# Altium PCB 1166V30.PcbDoc (part 4 of 6) (continued)
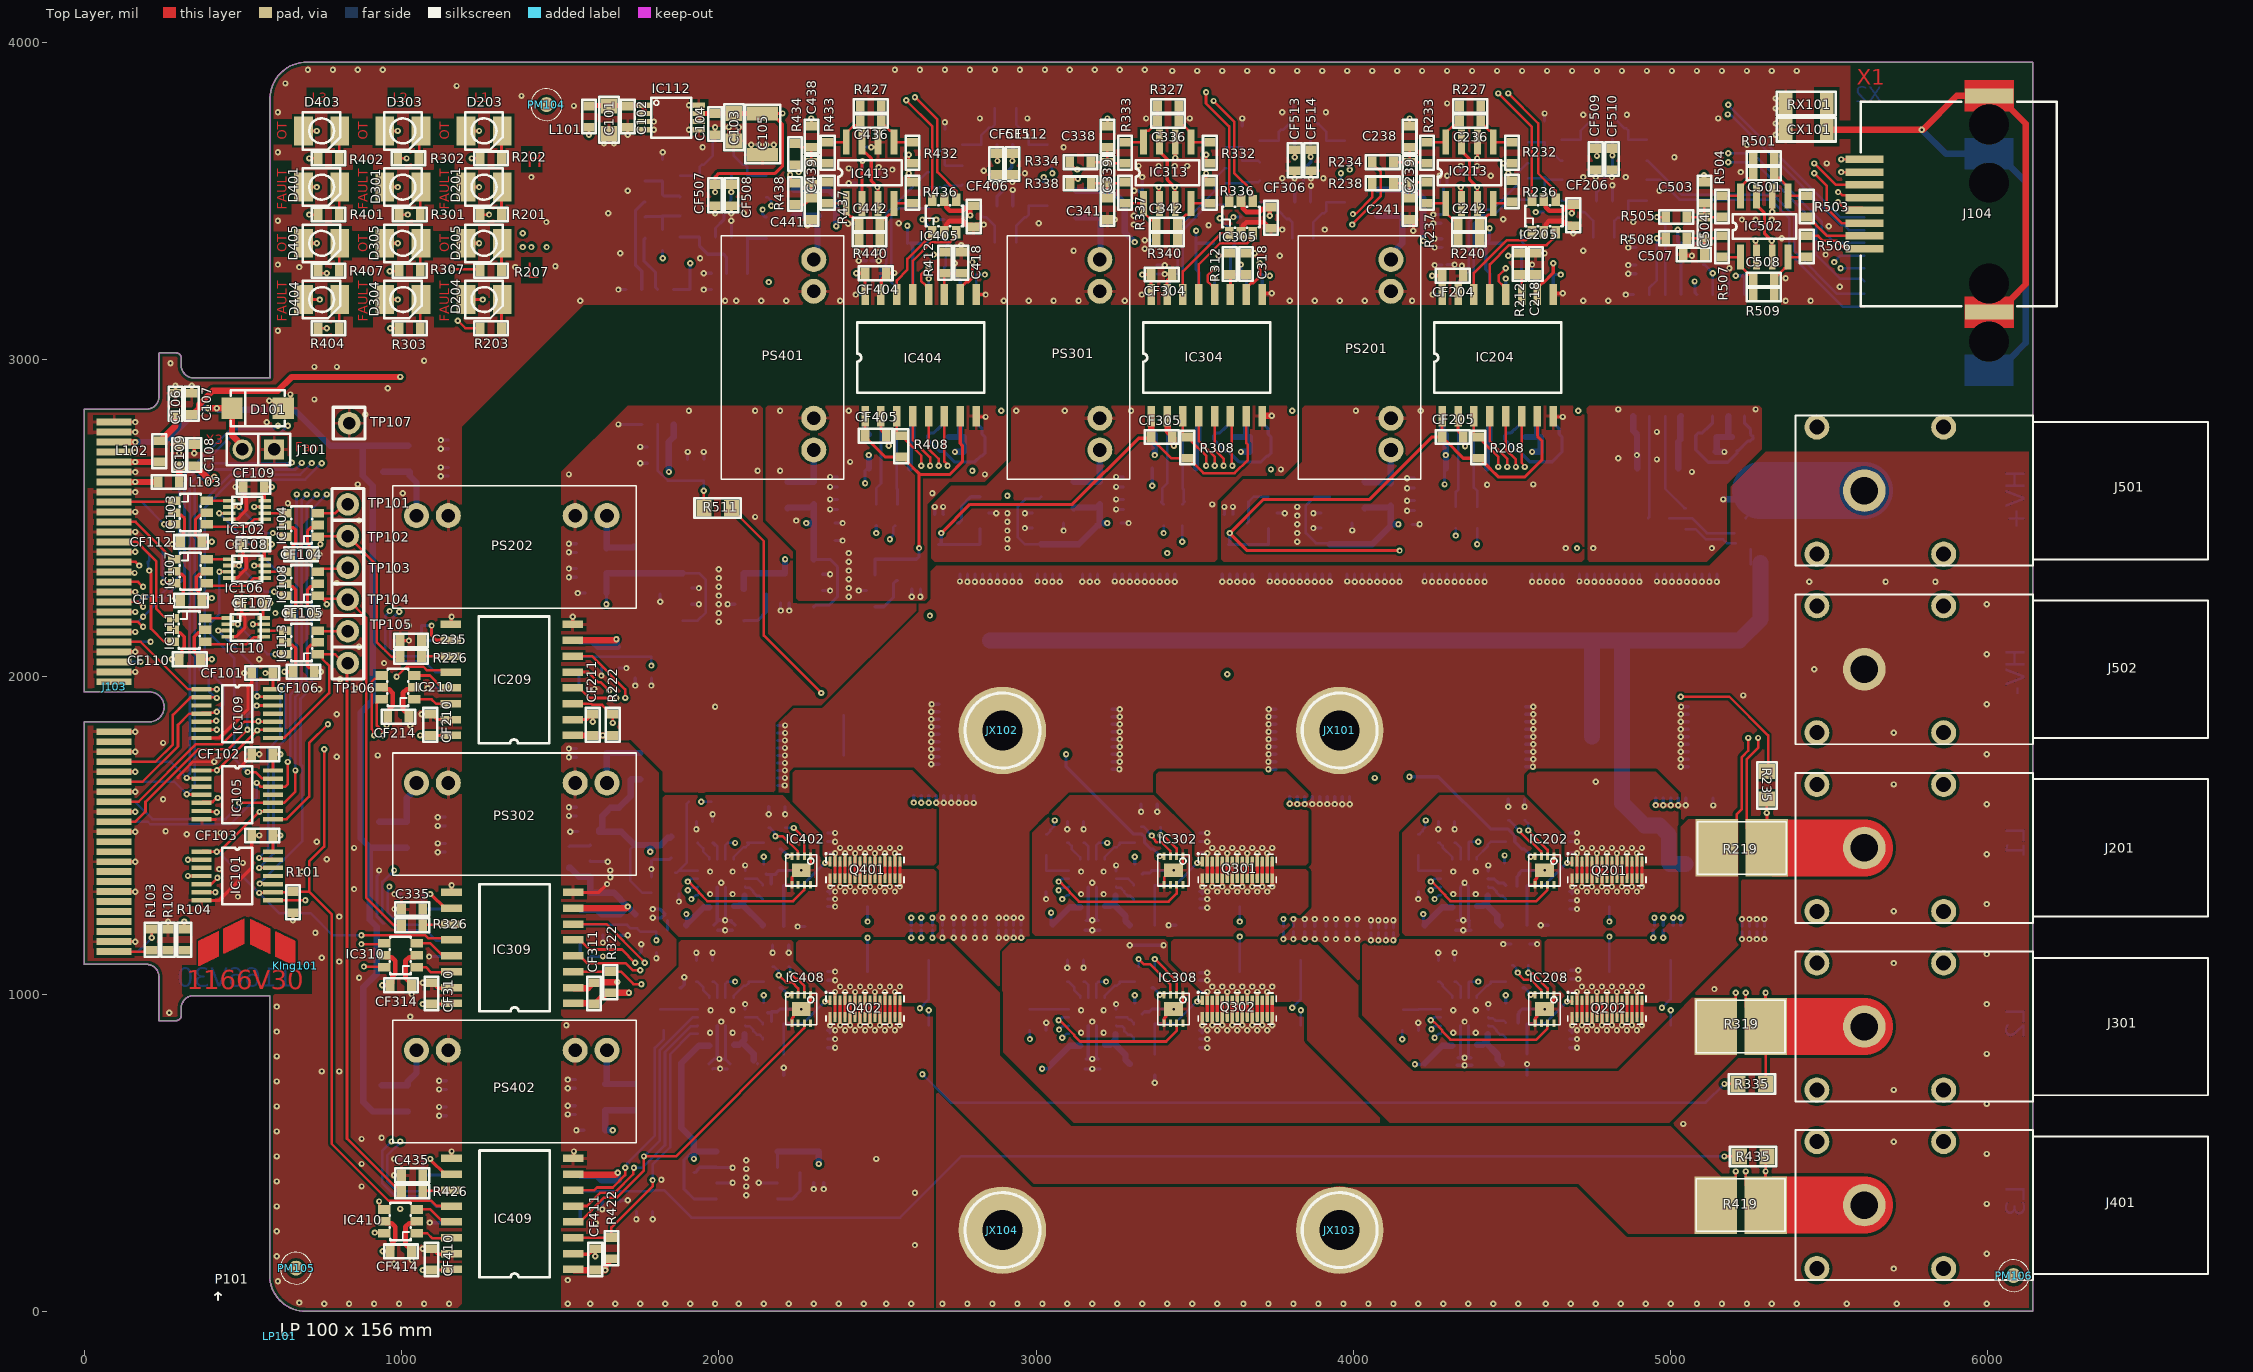
[diagram p0: Top Layer view]
## Nets (pads, with @x,y where several pads share a name; then routed paths per layer and width w, separated by ;. In a path a pad name is that pad's centre, name@x,y a point inside that pad or via, vN(x,y) a via of type N, cw(c..) or ccw(c..) an arc to the next point about the centre after c; other vN are vias at no path point) (continued)
NetC210_2: C210.2 IC201.4 | length 138.2
  Bottom Layer w8: C210.2@3665.35,2484.25 3669.29,2488.19 3669.29,2551.18 3685.43,2567.32 IC201.4@3732.28,2567.32
NetC212_2: C212.2 IC203.13 IC203.16 | length 315.8
  Layer 2 w10: v1(4479.92,3255.05) 4640.87,3255.05 v1(4653.54,3267.72)
  Bottom Layer w10: IC203.13@4479.92,3204.72 v1(4479.92,3255.05) ; IC203.16@4629.92,3204.72 C212.2@4629.92,3267.72 v1(4653.54,3267.72)
NetC216_1: C216.1 IC206.12 IC206.13 | length 145.5
  Bottom Layer w20: IC206.13@4390.59,1277.4 4407.32,1277.4 4415.35,1285.43 ; IC206.12@4423.39,1310.2 4423.39,1293.46 4415.35,1285.43 ; C216.1@4464.57,1216.54 4452.85,1228.25 4452.85,1248.03 4452.76,1248.03 4415.35,1285.43
NetC217_2: C217.2 IC206.4 R211.1 | length 118.5
  Bottom Layer w8: R211.1@4204.72,1437.01 C217.2@4204.72,1389.76 4205.71,1388.78 IC206.4@4275.59,1388.78
NetC218_2: C218.2 IC204.11 R212.1 | length 116.8
  Top Layer w8: IC204.11@4529.92,3204.72 4529.92,3261.42 R212.1@4523.62,3267.72 C218.2@4574.8,3267.72
NetC219_1: C219.1 C220.1 C221.1 IC203.1 IC203.3 | length 449.2
  Bottom Layer w10: IC203.3@4529.92,2820.87 4529.92,2800.2 4509.25,2779.53 4507.87,2779.53 4496.97,2768.62 4485.16,2768.62 4476.38,2759.84 4476.38,2748.03 4513.84,2710.57 4523.03,2710.57 4555.65,2677.94 4626.76,2677.94 4657.48,2708.66 4657.48,2755.91 4648.7,2764.69 4648.7,2781.42 4629.92,2800.2 IC203.1@4629.92,2820.87
NetC222_1: C222.1 C223.1 IC203.5 | length 167
  Bottom Layer w20: C222.1@4421.26,2657.48 4421.26,2740.16 4428.11,2747.01 4428.11,2819.06 IC203.5@4429.92,2820.87
NetC224_1: C224.1 IC203.7 R218.2 | length 289
  Bottom Layer w8: R218.2@4322.83,2535.43 C224.1@4322.83,2582.68 4330.71,2590.55 4330.71,2708.66 4329.92,2709.45 IC203.7@4329.92,2820.87
NetC224_2: C224.2 IC203.6 R217.2 | length 289.5
  Bottom Layer w8: IC203.6@4379.92,2820.87 4379.92,2596.46 4389.76,2586.61 C224.2@4389.76,2582.68 R217.2@4389.76,2535.43
NetC225_2: C225.2 IC206.8 R213.1 | length 120.7
  Bottom Layer w8: IC206.8@4388.78,1425.2 4388.78,1431.1 4423.29,1465.61 4423.29,1470.54 C225.2@4433.07,1480.31 R213.1@4480.32,1480.31
NetC227_2: C227.2 L203.2 PS202.1 | length 229.6
  Bottom Layer w20: L203.2@942.52,2645.67 C227.2@1025.2,2645.67 1025.2,2633.86 1047.24,2611.81 PS202.1@1047.24,2507.87
NetC230_2: C230.2 IC207.4 | length 137.6
  Bottom Layer w10: IC207.4@2078.74,2176.77 2079.13,2177.17 2122.05,2177.17 2149.61,2204.72 C230.2@2149.61,2259.84
NetC233_1: C233.1 IC211.12 IC211.13 | length 147.1
  Bottom Layer w20: IC211.13@4390.59,840.39 4407.32,840.39 4415.35,848.43 ; IC211.12@4423.39,873.19 4423.39,856.46 4415.35,848.43 ; 4452.76,811.02 4415.35,848.43 ; 4452.85,811.02 4454.88,808.99 4454.88,793.15 C233.1@4468.5,779.53
NetC234_2: C234.2 IC211.4 R225.1 | length 118.5
  Bottom Layer w8: R225.1@4157.48,950.79 C234.2@4204.72,950.79 ; C234.2@4204.72,952.76 4205.71,951.77 IC211.4@4275.59,951.77
NetC235_2: C235.2 IC209.11 R226.1 | length 144.5
  Top Layer w8: C235.2@1062.99,2114.17 R226.1@1062.99,2062.99 1064.96,2064.96 IC209.11@1155.51,2064.96
NetC236_1: C236.1 IC213.8 R227.1 R233.2 | length 196.4
  Top Layer w8: R233.2@4232.28,3685.04 IC213.8@4290.94,3685.04 4290.94,3713.58 4315.61,3738.25 4324.87,3738.25 4334.65,3748.03 R227.1@4334.65,3799.21
NetC236_2: C236.2 IC213.5 R227.2 R232.1 | length 192.4
  Top Layer w8: R227.2@4401.57,3799.21 C236.2@4401.57,3751.97 4401.57,3748.03 4429.2,3720.41 4434.12,3720.41 4440.94,3713.58 IC213.5@4440.94,3685.04 R232.1@4500,3685.04
NetC237_2: C237.2 IC211.8 R228.1 | length 118.5
  Bottom Layer w8: IC211.8@4388.78,988.19 4388.78,994.09 4420.34,1025.65 4423.29,1025.65 4433.07,1035.43 C237.2@4433.07,1039.37 R228.1@4480.32,1039.37
NetC238_1: C238.1 C239.2 R233.1 R234.2 | length 155.2
  Top Layer w8: R234.2@4125.98,3622.05 C239.2@4177.17,3622.05 ; C238.1@4177.17,3669.29 C239.2@4177.17,3622.05 ; R233.1@4232.28,3618.11 4228.35,3622.05 C239.2@4177.17,3622.05
NetC239_1: C239.1 C241.2 R237.1 R238.2 | length 155.2
  Top Layer w8: R238.2@4125.98,3555.12 C239.1@4177.17,3555.12 ; C241.2@4177.17,3507.87 C239.1@4177.17,3555.12 ; R237.1@4232.28,3559.06 4181.1,3559.06 C239.1@4177.17,3555.12
NetC240_2: C240.2 IC212.2 R235.1 R239.1 | length 3983
  Top Layer w8: v1(5031.5,1937.01) 5185.04,1937.01 5307.09,1814.96 5307.09,1704.72 R235.1@5303.15,1700.79
  Layer 5 w8: v1(1787.4,2035.43) 4933.07,2035.43 v1(5031.5,1937.01)
  Bottom Layer w8: IC212.2@1559.06,2064.17 1559.65,2063.58 R239.1@1787.4,2063.58 ; v1(1787.4,2035.43) R239.1@1787.4,2062.99
NetC242_1: C242.1 IC213.1 R237.2 R240.1 | length 192.4
  Top Layer w8: R237.2@4232.28,3492.13 IC213.1@4290.94,3492.13 4290.94,3463.58 4315.61,3438.91 4320.93,3438.91 4330.71,3429.13 C242.1@4330.71,3425.2 R240.1@4330.71,3377.95
NetC242_2: C242.2 IC213.4 R236.1 R240.2 | length 196.4
  Top Layer w8: R240.2@4397.64,3377.95 C242.2@4397.64,3425.2 4397.64,3429.13 4425.26,3456.76 4434.12,3456.76 4440.94,3463.58 IC213.4@4440.94,3492.13 R236.1@4500,3492.13
NetC307_2: C307.2 L301.2 PS301.1 | length 210.3
  Bottom Layer w20: L301.2@3125.98,3448.82 C307.2@3204.72,3448.82 3202.76,3446.85 3202.76,3320.87 PS301.1@3200.79,3318.9
NetC310_2: C310.2 IC301.4 | length 131.5
  Bottom Layer w10: C310.2@2751.97,2484.25 2755.91,2484.25 2764.69,2493.03 2764.69,2537.72 2794.29,2567.32 IC301.4@2822.83,2567.32
NetC312_2: C312.2 IC303.13 IC303.16 | length 316.4
  Top Layer w10: v1(3562.6,3255.05) v1@3562.99,3254.65
  Layer 2 w10: v1(3562.6,3255.05) 3727.49,3255.05 v1(3736.22,3263.78)
  Bottom Layer w10: IC303.13@3562.6,3204.72 v1(3562.6,3255.05) ; IC303.16@3712.6,3204.72 C312.2@3712.6,3267.72 3716.54,3263.78 v1(3736.22,3263.78)
NetC316_1: C316.1 IC306.12 IC306.13 | length 147.1
  Bottom Layer w20: IC306.13@3217.36,1277.4 3234.09,1277.4 3242.13,1285.43 ; IC306.12@3250.16,1310.2 3250.16,1293.46 3242.13,1285.43 ; C316.1@3295.28,1216.54 3281.65,1230.16 3281.65,1245.91 3242.13,1285.43
NetC317_2: C317.2 IC306.4 R311.1 | length 118.5
  Bottom Layer w8: R311.1@3031.5,1437.01 C317.2@3031.5,1389.76 3032.48,1388.78 IC306.4@3102.36,1388.78
NetC318_2: C318.2 IC304.11 R312.1 | length 115.2
  Top Layer w8: IC304.11@3612.6,3204.72 3612.6,3265.35 R312.1@3610.24,3267.72 C318.2@3661.42,3267.72
NetC319_1: C319.1 C320.1 C321.1 IC303.1 IC303.3 | length 452.2
  Bottom Layer w10: IC303.3@3612.6,2820.87 3612.6,2800.2 3591.93,2779.53 3590.55,2779.53 3579.65,2768.62 3567.83,2768.62 3559.06,2759.84 3559.06,2748.03 3596.91,2710.18 3606.1,2710.18 3639.11,2677.17 3708.66,2677.17 3727.44,2695.94 3731.38,2695.94 3740.16,2704.72 3740.16,2755.91 3731.38,2764.69 3731.38,2781.42 3712.6,2800.2 IC303.1@3712.6,2820.87
NetC322_1: C322.1 C323.1 IC303.5 | length 167
  Bottom Layer w20: C323.1@3503.94,2657.48 3503.94,2740.16 3510.79,2747.01 3510.79,2819.06 IC303.5@3512.6,2820.87
NetC324_1: C324.1 IC303.7 R318.2 | length 287
  Bottom Layer w8: R318.2@3393.7,2551.18 R318.2@3401.57,2543.31 ; R318.2@3397.64,2551.18 C324.1@3397.64,2590.55 3397.64,2594.49 3412.6,2609.45 IC303.7@3412.6,2820.87
NetC324_2: C324.2 IC303.6 R317.2 | length 281.8
  Bottom Layer w8: R317.2@3460.63,2543.31 R317.2@3468.5,2551.18 ; IC303.6@3462.6,2820.87 3462.6,2778.78 3462.41,2778.59 3462.41,2592.71 C324.2@3464.57,2590.55 R317.2@3464.57,2551.18
NetC325_2: C325.2 IC306.8 R313.1 | length 122.4
  Bottom Layer w8: IC306.8@3215.55,1425.2 3215.55,1431.1 3247.11,1462.66 3254,1462.66 3263.78,1472.44 C325.2@3263.78,1476.38 R313.1@3311.02,1476.38
NetC327_2: C327.2 L303.2 PS302.1 | length 221.7
  Bottom Layer w20: L303.2@929.13,1543.31 C327.2@1015.75,1543.31 1015.75,1617.96 1047.24,1649.46 PS302.1@1047.24,1665.35
NetC330_2: C330.2 IC307.4 | length 68.7
  Bottom Layer w10: C330.2@1527.56,1464.57 1529.72,1466.73 1592.32,1466.73 IC307.4@1594.49,1468.9
NetC333_1: C333.1 IC311.12 IC311.13 | length 147.1
  Bottom Layer w20: IC311.13@3217.36,840.39 3234.09,840.39 3242.13,848.43 ; IC311.12@3250.16,873.19 3250.16,856.46 3242.13,848.43 ; 3279.53,811.02 3242.13,848.43 ; 3279.62,811.02 3281.65,808.99 3281.65,793.15 C333.1@3295.28,779.53
NetC334_2: C334.2 IC311.4 R325.1 | length 122.5
  Bottom Layer w8: R325.1@2980.32,952.76 C334.2@3031.5,952.76 3032.48,951.77 IC311.4@3102.36,951.77
NetC335_2: C335.2 IC309.11 R326.1 | length 144.5
  Top Layer w8: C335.2@1066.93,1267.72 R326.1@1066.93,1216.54 1068.9,1218.5 IC309.11@1159.45,1218.5
NetC336_1: C336.1 IC313.8 R327.1 R333.2 | length 196.4
  Top Layer w8: R333.2@3279.92,3685.04 IC313.8@3338.58,3685.04 3338.58,3713.58 3345.41,3720.41 3354.66,3720.41 3382.28,3748.03 C336.1@3382.28,3751.97 R327.1@3382.28,3799.21
NetC336_2: C336.2 IC313.5 R327.2 R332.1 | length 192.4
  Top Layer w8: R327.2@3449.21,3799.21 C336.2@3449.21,3751.97 3449.21,3748.03 3458.99,3738.25 3463.91,3738.25 3488.58,3713.58 IC313.5@3488.58,3685.04 R332.1@3547.64,3685.04
NetC337_2: C337.2 IC311.8 R328.1 | length 122.4
  Bottom Layer w8: IC311.8@3215.55,988.19 3215.55,994.09 3247.11,1025.65 3254,1025.65 3263.78,1035.43 C337.2@3263.78,1039.37 R328.1@3311.02,1039.37
NetC338_1: C338.1 C339.2 R333.1 R334.2 | length 155.2
  Top Layer w8: R334.2@3173.23,3622.05 C339.2@3224.41,3622.05 ; C338.1@3224.8,3669.29 C339.2@3224.8,3622.05 3228.74,3618.11 R333.1@3279.92,3618.11
NetC339_1: C339.1 C341.2 R337.1 R338.2 | length 155.2
  Top Layer w8: R338.2@3173.62,3555.12 C339.1@3224.8,3555.12 ; C341.2@3224.8,3507.87 C339.1@3224.8,3555.12 ; R337.1@3279.92,3559.06 3275.98,3555.12 C339.1@3224.8,3555.12
NetC340_2: C340.2 IC312.2 R335.1 R339.1 | length 4071.3
  Top Layer w8: v1(5169.29,716.54) R335.1@5212.6,716.54
  Layer 3 w8: v1(1803.15,1169.29) 1824.99,1147.45 1824.99,1088 1934.61,978.38 1934.61,791.74 1985.05,741.3 2620.14,741.3 2625.98,747.14 v1(2641.73,747.14)
  Bottom Layer w8: IC312.2@1562.99,1217.72 1711.09,1217.72 1722.18,1206.63 1742.19,1206.63 C340.2@1751.97,1196.85 R339.1@1803.15,1196.85 v1(1803.15,1169.29) ; v1(2641.73,747.14) 2731.39,657.48 5110.24,657.48 v1(5169.29,716.54)
NetC342_1: C342.1 IC313.1 R337.2 R340.1 | length 192.4
  Top Layer w8: R337.2@3279.92,3492.13 IC313.1@3338.58,3492.13 3338.58,3463.58 3363.25,3438.91 3368.57,3438.91 3378.35,3429.13 C342.1@3378.35,3425.2 R340.1@3378.35,3377.95
NetC342_2: C342.2 IC313.4 R336.1 R340.2 | length 196.4
  Top Layer w8: R340.2@3445.28,3377.95 C342.2@3445.28,3425.2 3445.28,3429.13 3472.9,3456.76 3481.76,3456.76 3488.58,3463.58 IC313.4@3488.58,3492.13 R336.1@3547.64,3492.13
NetC407_2: C407.2 L401.2 PS401.1 | length 215.2
  Bottom Layer w20: L401.2@2236.22,3452.76 C407.2@2311.02,3452.76 ; PS401.1@2299.21,3318.9 PS401.1@2307.09,3326.77 ; C407.2@2307.09,3444.88 2311.02,3448.82 C407.2@2314.96,3452.76 ; PS401.1@2311.02,3326.77 C407.2@2311.02,3444.88
NetC410_2: C410.2 IC401.4 | length 131.1
  Bottom Layer w10: IC401.4@2492.13,2220.47 2520.67,2220.47 2550.28,2250.08 2550.28,2294.37 2559.06,2303.15 C410.2@2562.99,2303.15
NetC412_2: C412.2 IC403.13 IC403.16 | length 323.1
  Layer 2 w8: v1(2661.54,3255.17) 2664.71,3255.17 2677.25,3267.72 v1(2838.58,3267.72)
  Bottom Layer w8: IC403.13@2661.28,3204.98 2661.28,3254.91 v1(2661.54,3255.17) ; IC403.16@2811.02,3204.72 C412.2@2811.02,3267.72 v1(2838.58,3267.72)
NetC416_1: C416.1 IC406.12 IC406.13 | length 168.6
  Bottom Layer w10: C416.1@2126.08,1228.25 C416.1@2137.8,1216.54
  Bottom Layer w20: IC406.13@2048.07,1277.4 2064.8,1277.4 2072.83,1285.43 ; IC406.12@2080.87,1310.2 2080.87,1293.46 2072.83,1285.43 ; C416.1@2137.8,1216.54 2137.8,1218.5 2072.83,1283.46 2072.83,1285.43
NetC417_2: C417.2 IC406.4 R411.1 | length 303.7
  Bottom Layer w8: C417.2@1862.2,1381.89 1866.14,1381.89 1899.42,1415.17 1899.42,1600.2 R411.1@1905.51,1606.3 ; C417.2@1874.02,1388.78 IC406.4@1933.07,1388.78
NetC418_2: C418.2 IC404.11 R412.1 | length 118.8
  Top Layer w8: IC404.11@2711.02,3204.72 2711.02,3270.08 R412.1@2712.6,3271.65 C418.2@2763.78,3271.65
NetC419_1: C419.1 C420.1 C421.1 IC403.1 IC403.3 | length 452.2
  Bottom Layer w10: IC403.3@2711.02,2820.87 2711.02,2800.2 2690.35,2779.53 2688.98,2779.53 2678.07,2768.62 2666.26,2768.62 2657.48,2759.84 2657.48,2748.03 2695.33,2710.18 2708.46,2710.18 2741.47,2677.17 2807.09,2677.17 2825.87,2695.94 2829.8,2695.94 2838.58,2704.72 2838.58,2755.91 2829.8,2764.69 2829.8,2781.42 2811.02,2800.2 IC403.1@2811.02,2820.87
NetC422_1: C422.1 C423.1 IC403.5 | length 167
  Bottom Layer w20: C423.1@2602.36,2657.48 2602.36,2740.16 2609.21,2747.01 2609.21,2819.06 IC403.5@2611.02,2820.87
NetC424_1: C424.1 IC403.7 R418.2 | length 283.8
  Bottom Layer w8: R418.2@2496.06,2543.31 C424.1@2496.06,2590.55 2496.06,2594.49 2511.02,2609.45 IC403.7@2511.02,2820.87
NetC424_2: C424.2 IC403.6 R417.2 | length 278.4
  Bottom Layer w8: IC403.6@2561.02,2820.87 2561.02,2592.52 C424.2@2562.99,2590.55 R417.2@2562.99,2543.31
NetC425_2: C425.2 IC406.8 R413.1 | length 143.8
  Bottom Layer w8: IC406.8@2046.26,1425.2 2046.26,1431.1 2077.82,1462.66 C425.2@2083.72,1462.66 ; C425.2@2089.57,1476.38 C425.2@2094.49,1476.38 C425.2@2094.49,1473.42 ; R413.1@2141.73,1476.38 2097.44,1476.38 C425.2@2094.49,1473.42 ; C425.2@2083.72,1462.66 2084.71,1462.66 2094.49,1472.44 C425.2@2094.49,1473.42 ; C425.2@2083.72,1462.66 C425.2@2094.49,1473.42
NetC427_2: C427.2 L403.2 PS402.1 | length 204.3
  Bottom Layer w20: L403.2@937.01,712.6 C427.2@1019.69,712.6 1019.69,724.41 1047.24,751.97 PS402.1@1047.24,822.83
NetC430_2: C430.2 IC407.4 | length 139.9
  Bottom Layer w10: IC407.4@2185.04,353.94 2185.43,354.33 2232.28,354.33 2255.91,377.95 C430.2@2255.91,437.01
NetC433_1: C433.1 IC411.12 IC411.13 | length 130.8
  Bottom Layer w10: C433.1@2122.05,779.53 C433.1@2122.05,781.5
  Bottom Layer w20: IC411.13@2048.07,840.39 2064.8,840.39 2072.83,848.43 ; IC411.12@2080.87,873.19 2080.87,856.46 2072.83,848.43 ; 2110.24,811.02 2072.83,848.43 ; C433.1@2110.33,791.24 2110.33,811.02
NetC434_2: C434.2 IC411.4 R425.1 | length 118.5
  Bottom Layer w8: R425.1@1814.96,952.76 1862.2,952.76 1863.19,951.77 IC411.4@1933.07,951.77
NetC435_2: C435.2 IC409.11 R426.1 | length 144.5
  Top Layer w8: C435.2@1066.93,429.13 R426.1@1066.93,377.95 1068.9,379.92 IC409.11@1159.45,379.92
NetC436_1: C436.1 IC413.8 R427.1 R433.2 | length 196.4
  Top Layer w8: R433.2@2342.91,3685.04 IC413.8@2401.57,3685.04 2401.57,3713.58 2426.24,3738.25 2435.5,3738.25 2445.28,3748.03 C436.1@2445.28,3751.97 R427.1@2445.28,3799.21
NetC436_2: C436.2 IC413.5 R427.2 R432.1 | length 192.4
  Top Layer w8: R427.2@2512.2,3799.21 C436.2@2512.2,3751.97 2512.2,3748.03 2539.83,3720.41 2544.75,3720.41 2551.57,3713.58 IC413.5@2551.57,3685.04 R432.1@2610.63,3685.04
NetC437_2: C437.2 IC411.8 R428.1 | length 122.4
  Bottom Layer w8: IC411.8@2046.26,988.19 2046.26,994.09 2077.82,1025.65 2084.71,1025.65 2094.49,1035.43 C437.2@2094.49,1039.37 R428.1@2141.73,1039.37
NetC438_1: C438.1 C439.2 R433.1 R434.2 | length 156.5
  Top Layer w8: R434.2@2240.16,3681.1 2244.09,3681.1 2255.91,3669.29 C438.1@2291.73,3669.29 C439.2@2291.73,3622.05 2295.67,3618.11 R433.1@2342.91,3618.11
NetC439_1: C439.1 C441.2 R437.1 R438.2 | length 160.8
  Top Layer w8: R438.2@2240.16,3488.19 2269.87,3488.19 2278.02,3496.33 2278.02,3498.09 2287.8,3507.87 C441.2@2291.73,3507.87 C439.1@2291.73,3555.12 2338.98,3555.12 R437.1@2342.91,3559.06
NetC440_2: C440.2 IC412.2 R435.1 R439.1 | length 3770.5
  Top Layer w8: v1(5169.29,488.19) R435.1@5216.54,488.19
  Bottom Layer w8: IC412.2@1562.99,379.13 1788.58,379.13 R439.1@1791.34,381.89 1826.77,381.89 1913.39,295.28 2570.87,295.28 2763.78,488.19 v1(5169.29,488.19)
NetC442_1: C442.1 IC413.1 R437.2 R440.1 | length 192.4
  Top Layer w8: R437.2@2342.91,3492.13 IC413.1@2401.57,3492.13 2401.57,3463.58 2414.93,3450.23 2420.25,3450.23 2441.34,3429.13 C442.1@2441.34,3425.2 R440.1@2441.34,3377.95
NetC442_2: C442.2 IC413.4 R436.1 R440.2 | length 196.4
  Top Layer w8: R440.2@2508.27,3377.95 C442.2@2508.27,3425.2 2508.27,3429.13 2535.89,3456.76 2544.75,3456.76 2551.57,3463.58 IC413.4@2551.57,3492.13 R436.1@2610.63,3492.13
NetC501_1: C501.1 IC502.8 R501.1 R504.2 | length 194
  Top Layer w8: R504.2@5161.42,3515.75 IC502.8@5220.08,3515.75 5220.08,3544.29 5226.91,3551.12 5228.28,3551.12 5259.84,3582.68 C501.1@5259.84,3586.61 R501.1@5259.84,3633.86
NetC501_2: C501.2 IC502.5 R501.2 R503.1 | length 198
  Top Layer w8: R501.2@5326.77,3633.86 C501.2@5326.77,3586.61 5326.77,3582.68 5336.55,3572.9 5341.47,3572.9 5370.08,3544.29 IC502.5@5370.08,3515.75 R503.1@5429.13,3515.75
NetC502_2: C502.2 IC501.13 IC501.16 | length 276
  Top Layer w10: v1@5073.3,3247.98 v1(5075.16,3246.12)
  Layer 2 w10: v1(5075.16,3246.12) 5187.07,3246.12 v1(5204.72,3263.78)
  Bottom Layer w10: v1(5075.16,3246.12) 5077.01,3244.27 5077.01,3210 IC501.13@5082.28,3204.72 ; v1(5204.72,3263.78) 5228.35,3263.78 C502.2@5232.28,3267.72 IC501.16@5232.28,3204.72
NetC503_1: C503.1 C504.2 R504.1 R505.2 | length 153.5
  Top Layer w8: R505.2@5051.18,3448.82 C504.2@5106.3,3448.82 ; C503.1@5106.3,3492.13 C504.2@5106.3,3448.82 ; R504.1@5161.42,3448.82 C504.2@5106.3,3448.82
NetC504_1: C504.1 C507.2 R507.1 R508.2 | length 156.8
  Top Layer w8: R508.2@5051.18,3381.89 C504.1@5106.3,3381.89 ; C507.2@5106.3,3338.58 C504.1@5106.3,3381.89 ; R507.1@5161.42,3389.76 5153.54,3381.89 C504.1@5106.3,3381.89
NetC508_1: C508.1 IC502.1 R507.2 R509.1 | length 194
  Top Layer w8: R507.2@5161.42,3322.83 IC502.1@5220.08,3322.83 5220.08,3294.29 5248.69,3265.69 5250.06,3265.69 5259.84,3255.91 C508.1@5259.84,3251.97 R509.1@5259.84,3204.72
NetC508_2: C508.2 IC502.4 R506.1 R509.2 | length 198
  Top Layer w8: R509.2@5326.77,3204.72 C508.2@5326.77,3251.97 5326.77,3255.91 5358.33,3287.46 5363.25,3287.46 5370.08,3294.29 IC502.4@5370.08,3322.83 R506.1@5429.13,3322.83
NetC509_1: C509.1 IC504.8 R510.1 R513.2 | length 239.7
  Bottom Layer w10: R513.2@1877.95,3385.83 IC504.8@1939.37,3385.83 1939.37,3357.28 1965.04,3331.61 2014.84,3331.61 2023.62,3322.83 C509.1@2023.62,3318.9 R510.1@2023.62,3271.65
NetC509_2: C509.2 IC504.5 R510.2 R512.1 | length 175.7
  Bottom Layer w10: IC504.5@2089.37,3385.83 IC504.5@2089.96,3385.24 ; R510.2@2090.55,3271.65 2089.96,3272.24 IC504.5@2089.96,3385.24 ; R512.1@2149.61,3381.89 2093.31,3381.89 IC504.5@2089.96,3385.24
NetC510_1: C510.1 C511.1 C512.1 IC501.1 IC501.3 | length 445.2
  Bottom Layer w10: IC501.3@5132.28,2820.87 5132.28,2800.2 5111.61,2779.53 5110.24,2779.53 5099.33,2768.62 5087.52,2768.62 5078.74,2759.84 C510.1@5078.74,2755.91 5078.74,2715.5 5118.3,2675.94 5179.88,2675.94 5208.66,2704.72 C512.1@5208.66,2708.66 C512.1@5208.66,2712.6 ; C512.1@5212.6,2712.6 5243.19,2743.19 5251.06,2743.19 5259.84,2751.97 C511.1@5259.84,2755.91 5251.06,2764.69 5251.06,2781.42 5232.28,2800.2 IC501.1@5232.28,2820.87
NetC513_1: C513.1 C514.1 IC501.5 | length 167
  Bottom Layer w20: C514.1@5023.62,2657.48 C513.1@5023.62,2740.16 5030.47,2747.01 5030.47,2819.06 IC501.5@5032.28,2820.87
NetC515_1: C515.1 IC501.7 R516.2 | length 322.2
  Bottom Layer w8: R516.2@4929.13,2500 4932.28,2503.15 IC501.7@4932.28,2820.87
NetC515_2: C515.2 IC501.6 R515.2 | length 318.6
  Bottom Layer w8: IC501.6@4982.28,2820.87 4982.28,2592.52 5043.31,2531.5 R515.2@5047.24,2531.5
NetC516_1: C516.1 C517.2 R513.1 R514.2 | length 155.2
  Bottom Layer w10: R514.2@1767.72,3448.82 1769.69,3450.79 1820.87,3450.79 C517.2@1822.83,3452.76 ; C516.1@1822.83,3409.45 C517.2@1822.83,3452.76 ; R513.1@1877.95,3452.76 C517.2@1822.83,3452.76
NetC517_1: C517.1 C519.2 R519.1 R520.2 | length 156.8
  Bottom Layer w10: R520.2@1767.72,3562.99 C519.2@1822.83,3562.99 C517.1@1822.83,3519.69 1826.77,3515.75 1874.02,3515.75 R519.1@1877.95,3511.81
NetC518_2: C518.2 IC503.2 R511.1 R521.1 | length 390.8
  Top Layer w8: R511.1@1952.76,2531.5 v1(1952.76,2586.61)
  Bottom Layer w8: IC503.2@1807.09,2795.28 1807.09,2649.99 1838.97,2618.11 C518.2@1952.76,2618.11 v1(1952.76,2586.61)
NetC520_1: C520.1 IC504.1 R519.2 R522.1 | length 196.4
  Bottom Layer w8: R519.2@1877.95,3578.74 IC504.1@1939.37,3578.74 1939.37,3607.28 1946.2,3614.11 1952.69,3614.11 1980.32,3641.73 C520.1@1980.32,3645.67 R522.1@1980.32,3692.91
NetC520_2: C520.2 IC504.4 R518.1 R522.2 | length 196.4
  Bottom Layer w8: R522.2@2047.24,3692.91 C520.2@2047.24,3645.67 2047.24,3641.73 2074.87,3614.11 2082.54,3614.11 2089.37,3607.28 IC504.4@2089.37,3578.74 R518.1@2149.61,3578.74
NetC528_1: C528.1 IC505.8 R523.1 R525.2 | length 192.4
  Bottom Layer w8: R525.2@4657.48,3500 IC505.8@4716.54,3500 4716.54,3471.46 4723.36,3464.63 4728.28,3464.63 4755.91,3437.01 C528.1@4755.91,3433.07 R523.1@4755.91,3385.83
NetC528_2: C528.2 IC505.5 R523.2 R524.1 | length 195.2
  Bottom Layer w8: R523.2@4822.83,3385.83 C528.2@4822.83,3433.07 4822.83,3437.01 4832.61,3446.79 4841.87,3446.79 4866.54,3471.46 IC505.5@4866.54,3500 R524.1@4924.02,3500
NetC529_1: C529.1 C530.2 R525.1 R526.2 | length 154.5
  Bottom Layer w8: R526.2@4551.18,3570.87 4598.43,3570.87 C530.2@4602.36,3574.8 ; C529.1@4602.36,3531.5 C530.2@4602.36,3574.8 ; R525.1@4657.48,3566.93 4610.24,3566.93 C530.2@4602.36,3574.8
NetC530_1: C530.1 C532.2 R529.1 R530.2 | length 156.1
  Bottom Layer w8: R530.2@4551.18,3685.04 C532.2@4602.36,3685.04 C530.1@4602.36,3641.73 4637.8,3641.73 4653.54,3625.98 R529.1@4657.48,3625.98
NetC531_1: C531.1 IC506.8 R527.1 R532.2 | length 196.4
  Bottom Layer w8: R532.2@2767.72,3484.25 IC506.8@2826.38,3484.25 2826.38,3455.71 2833.2,3448.88 2842.46,3448.88 2870.08,3421.26 C531.1@2870.08,3417.32 R527.1@2870.08,3370.08
NetC531_2: C531.2 IC506.5 R527.2 R531.1 | length 192.4
  Bottom Layer w8: R527.2@2937.01,3370.08 C531.2@2937.01,3417.32 2937.01,3421.26 2964.63,3448.88 2969.55,3448.88 2976.38,3455.71 IC506.5@2976.38,3484.25 R531.1@3035.43,3484.25
NetC533_1: C533.1 IC505.1 R529.2 R534.1 | length 196.4
  Bottom Layer w8: R529.2@4657.48,3692.91 IC505.1@4716.54,3692.91 4716.54,3721.46 4741.2,3746.13 4750.06,3746.13 4759.84,3755.91 C533.1@4759.84,3759.84 R534.1@4759.84,3807.09
NetC533_2: C533.2 IC505.4 R528.1 R534.2 | length 191.2
  Bottom Layer w8: R534.2@4826.77,3807.09 C533.2@4826.77,3759.84 4826.77,3755.91 4854.39,3728.28 4859.71,3728.28 4866.54,3721.46 IC505.4@4866.54,3692.91 R528.1@4924.02,3692.91
NetC534_1: C534.1 C535.2 R532.1 R533.2 | length 152.9
  Bottom Layer w8: R533.2@2661.42,3543.31 2708.66,3543.31 C535.2@2712.6,3547.24 ; C534.1@2712.6,3503.94 C535.2@2712.6,3547.24 ; R532.1@2767.72,3551.18 2763.78,3547.24 C535.2@2712.6,3547.24
NetC535_1: C535.1 C536.2 R536.1 R537.2 | length 151.2
  Bottom Layer w8: R537.2@2661.42,3657.48 C536.2@2712.6,3657.48 C535.1@2712.6,3614.17 2716.54,3610.24 R536.1@2767.72,3610.24
NetC537_1: C537.1 IC506.1 R536.2 R539.1 | length 196.4
  Bottom Layer w8: R536.2@2767.72,3677.17 IC506.1@2826.38,3677.17 2826.38,3705.71 2851.05,3730.38 2860.3,3730.38 2870.08,3740.16 C537.1@2870.08,3744.09 R539.1@2870.08,3791.34
NetC537_2: C537.2 IC506.4 R535.1 R539.2 | length 192.4
  Bottom Layer w8: R539.2@2937.01,3791.34 C537.2@2937.01,3744.09 2937.01,3740.16 2964.63,3712.54 2969.55,3712.54 2976.38,3705.71 IC506.4@2976.38,3677.17 R535.1@3035.43,3677.17
NetC538_1: C538.1 IC507.8 R538.1 R541.2 | length 196.4
  Bottom Layer w8: R541.2@3704.72,3496.06 IC507.8@3764.96,3496.06 3764.96,3467.52 3789.63,3442.85 3797.31,3442.85 3807.09,3433.07 C538.1@3807.09,3429.13 R538.1@3807.09,3381.89
NetC538_2: C538.2 IC507.5 R538.2 R540.1 | length 192.4
  Bottom Layer w8: R538.2@3874.02,3381.89 C538.2@3874.02,3429.13 3874.02,3433.07 3901.64,3460.69 3908.13,3460.69 3914.96,3467.52 IC507.5@3914.96,3496.06 R540.1@3972.44,3496.06
NetC539_1: C539.1 C540.2 R541.1 R542.2 | length 152.9
  Bottom Layer w8: R542.2@3598.43,3555.12 3645.67,3555.12 C540.2@3649.61,3559.06 ; C539.1@3649.61,3515.75 C540.2@3649.61,3559.06 ; R541.1@3704.72,3562.99 3700.79,3559.06 C540.2@3649.61,3559.06
NetC540_1: C540.1 C541.2 R544.1 R545.2 | length 151.2
  Bottom Layer w8: R545.2@3598.43,3669.29 C541.2@3649.61,3669.29 C540.1@3649.61,3625.98 3700.79,3625.98 R544.1@3704.72,3622.05
NetC542_1: C542.1 IC507.1 R544.2 R546.1 | length 200.3
  Bottom Layer w8: R544.2@3704.72,3688.98 IC507.1@3764.96,3688.98 3764.96,3717.52 3771.79,3724.35 3779.46,3724.35 3797.31,3742.19 3801.24,3742.19 3811.02,3751.97 C542.1@3811.02,3755.91 R546.1@3811.02,3803.15
NetC542_2: C542.2 IC507.4 R543.1 R546.2 | length 188.5
  Bottom Layer w8: R546.2@3877.95,3803.15 C542.2@3877.95,3755.91 3877.95,3751.97 3887.73,3742.19 3890.29,3742.19 3914.96,3717.52 IC507.4@3914.96,3688.98 R543.1@3972.44,3688.98
NetCF203_1: CF203.1 L202.1 PS201.7 | length 189
  Bottom Layer w20: L202.1@4035.43,2614.17 4037.24,2612.36 4115.98,2612.36 CF203.1@4118.11,2610.24 PS201.7@4118.11,2714.96
NetCF209_1: CF209.1 L204.1 PS202.7 | length 190.1
  Bottom Layer w20: CF209.1@1645.67,2405.51 CF209.1@1646.46,2406.3 ; PS202.7@1647.24,2507.87 1646.46,2507.09 CF209.1@1646.46,2406.3 ; L204.1@1732.28,2409.45 1730.47,2407.64 1647.8,2407.64 CF209.1@1646.46,2406.3
NetCF303_1: CF303.1 L302.1 PS301.7 | length 187.4
  Bottom Layer w20: L302.1@3118.11,2614.17 CF303.1@3200.79,2614.17 PS301.7@3200.79,2718.9
NetCF309_1: CF309.1 L304.1 PS302.7 | length 202.6
  Bottom Layer w20: PS302.7@1646.46,1664.57 PS302.7@1647.24,1665.35 1646.46,1666.14 1646.46,1759.06 CF309.1@1645.67,1759.84 L304.1@1751.97,1759.84
NetCF403_1: CF403.1 L402.1 PS401.7 | length 187.4
  Bottom Layer w20: L402.1@2216.54,2614.17 CF403.1@2299.21,2614.17 PS401.7@2299.21,2714.96 PS401.7@2299.21,2718.9
NetCF409_1: CF409.1 L404.1 PS402.7 | length 197.5
  Bottom Layer w20: CF409.1@1642.52,717.32 CF409.1@1641.73,716.54 L404.1@1732.28,716.54 ; CF409.1@1646.46,717.32 1646.46,822.05 PS402.7@1647.24,822.83
NetD201_2: D201.2 R201.1 | length 87.4
  Top Layer w8: R201.1@1314.96,3456.69 1314.96,3541.34 D201.2@1316.93,3543.31
NetD203_2: D203.2 R202.1 | length 87.4
  Top Layer w8: R202.1@1314.96,3633.86 1314.96,3718.5 D203.2@1316.93,3720.47
NetD204_2: D204.2 R203.1 | length 91.4
  Top Layer w8: R203.1@1314.96,3098.43 D204.2@1314.96,3187.01 ; D204.2@1316.93,3188.98 D204.2@1318.9,3187.01
NetD205_2: D205.2 R207.1 | length 87.4
  Top Layer w8: R207.1@1314.96,3279.53 1314.96,3364.17 D205.2@1316.93,3366.14
NetD301_2: D301.2 R301.1 | length 87.4
  Top Layer w8: R301.1@1059.06,3456.69 1059.06,3541.34 D301.2@1061.02,3543.31
NetD303_2: D303.2 R302.1 | length 89.1
  Top Layer w8: R302.1@1055.12,3633.86 1055.12,3714.57 D303.2@1061.02,3720.47
NetD304_2: D304.2 R303.1 | length 91.4
  Top Layer w8: R303.1@1059.06,3098.43 1059.06,3187.01 D304.2@1061.02,3188.98
NetD305_2: D305.2 R307.1 | length 87.4
  Top Layer w8: R307.1@1059.06,3279.53 1059.06,3364.17 D305.2@1061.02,3366.14
NetD401_2: D401.2 R401.1 | length 87.4
  Top Layer w8: R401.1@803.15,3456.69 803.15,3541.34 D401.2@805.12,3543.31
NetD403_2: D403.2 R402.1 | length 87.4
  Top Layer w8: R402.1@803.15,3633.86 803.15,3718.5 D403.2@805.12,3720.47
NetD404_2: D404.2 R404.1 | length 91.4
  Top Layer w8: R404.1@803.15,3098.43 803.15,3187.01 D404.2@805.12,3188.98
NetD405_2: D405.2 R407.1 | length 87.4
  Top Layer w8: R407.1@803.15,3279.53 803.15,3364.17 D405.2@805.12,3366.14
NetIC101_5: IC101.5 IC102.7 | length 1327.8
  Top Layer w8: IC101.5@398.74,1345.35 419.42,1366.03 v1(419.42,1366.14) ; v1(535.43,2535.43) IC102.7@568.9,2535.43
  Layer 3 w8: v1(419.42,1366.14) 403.35,1382.2 403.35,1399.8 361.95,1441.2 361.95,2175.92 511.81,2325.78 511.81,2358.27 535.43,2381.89 v1(535.43,2535.43)
NetIC101_13: IC101.13 IC102.3 | length 1300.8
  Top Layer w8: v1(425.2,2515.75) IC102.3@456.69,2515.75 ; v1(550.9,1428.8) 554.07,1428.8 556.75,1426.12 591.6,1426.12 IC101.13@594.49,1423.23
  Bottom Layer w8: v1(425.2,2515.75) 652.79,2288.16 652.79,1992.32 617.35,1956.89 617.35,1809.27 580.27,1772.19 580.27,1459 550.9,1429.64 v1(550.9,1428.8)
NetIC102_1: IC102.1 IC103.6 | length 71.2
  Top Layer w8: IC103.6@385.46,2555.12 IC102.1@456.69,2555.12
NetIC102_2: IC102.2 IC104.6 | length 216.4
  Top Layer w8: IC102.2@456.69,2535.43 v1(487.51,2535.43) ; v1(594.49,2452.76) 597.65,2452.76 600.16,2450.25 624.36,2450.25 IC104.6@633.86,2440.75
  Bottom Layer w8: v1(487.51,2535.43) 570.19,2452.76 v1(594.49,2452.76)
NetIC102_5: IC102.5 IC103.4 | length 196.4
  Top Layer w8: IC103.4@385.46,2480.12 393.14,2472.44 511.81,2472.44 535.43,2496.06 IC102.5@568.9,2496.06
NetIC102_6: IC102.6 IC104.4 | length 65
  Top Layer w8: IC102.6@568.9,2515.75 IC104.4@633.86,2515.75